# Altium PCB chicken.PcbDoc
Units mil, origin at the board's own origin, x right, y up, seen from the top; angles counter-clockwise.
Board outline 3937.01 x 2755.91 mil, 2 copper layers (Top Layer, Bottom Layer); 150 components, 157 nets, 618 pads, 47 vias.
Unrouted connection lines stored in the file: 159.
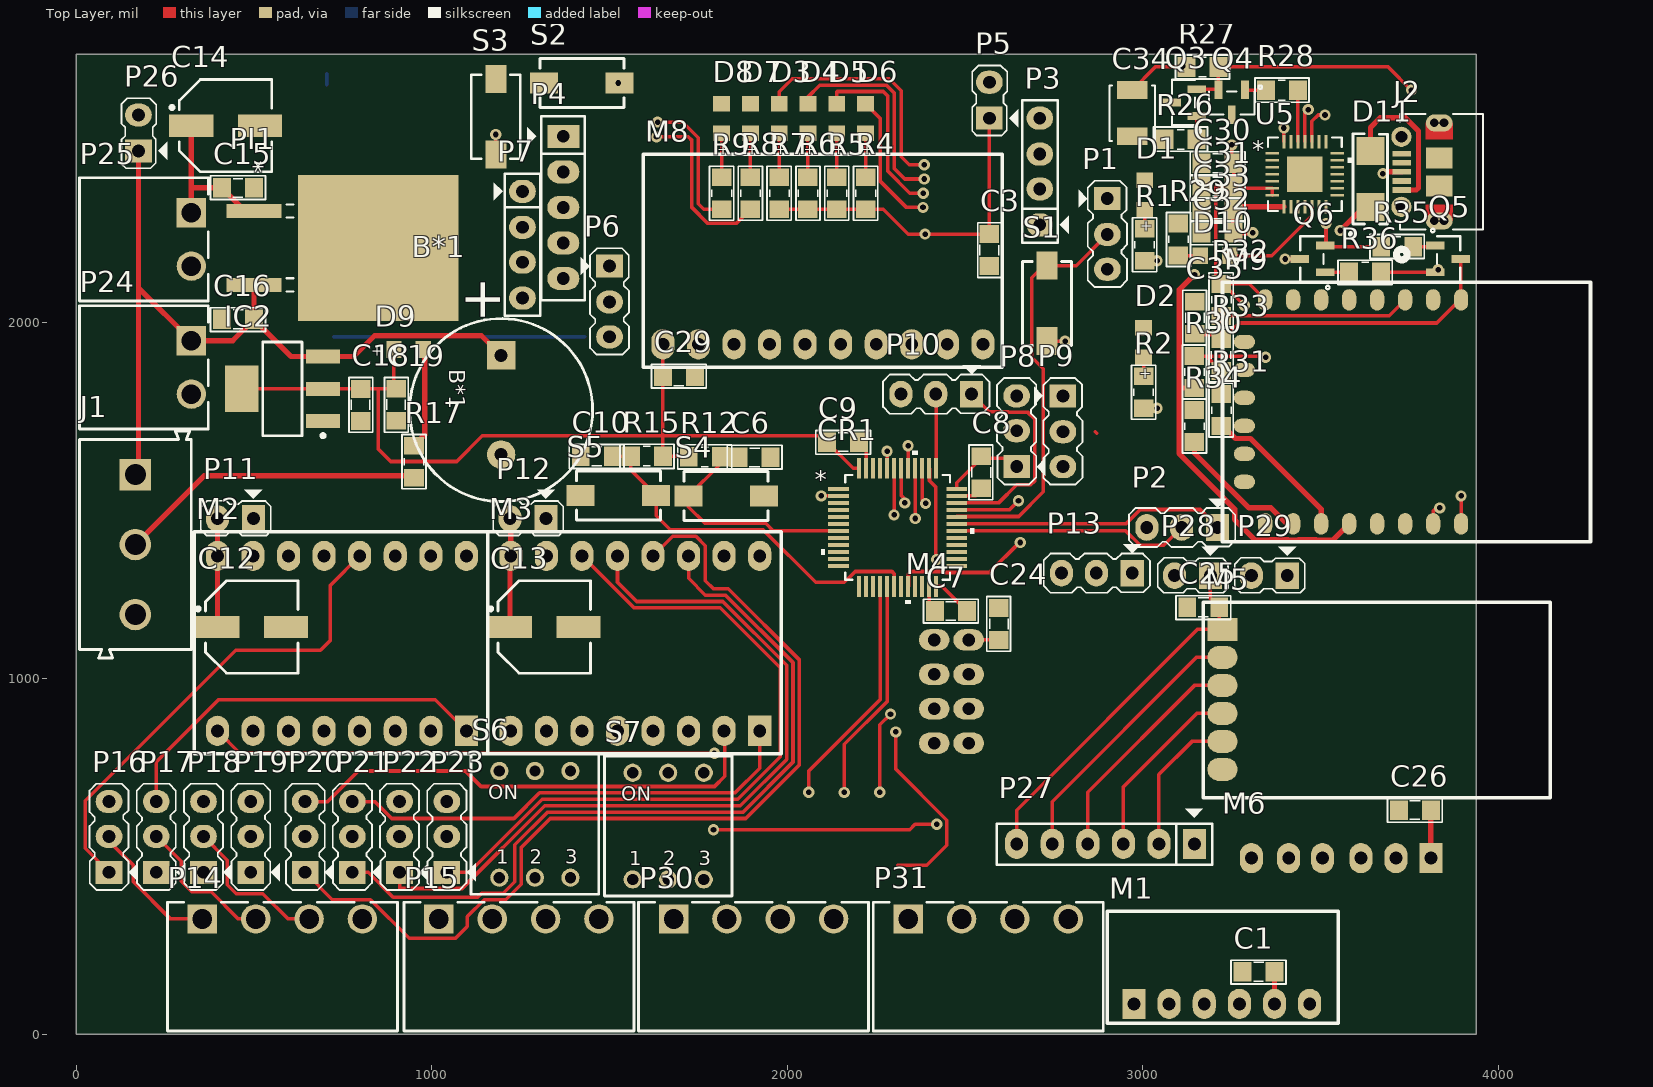
[diagram p0: Top Layer view]
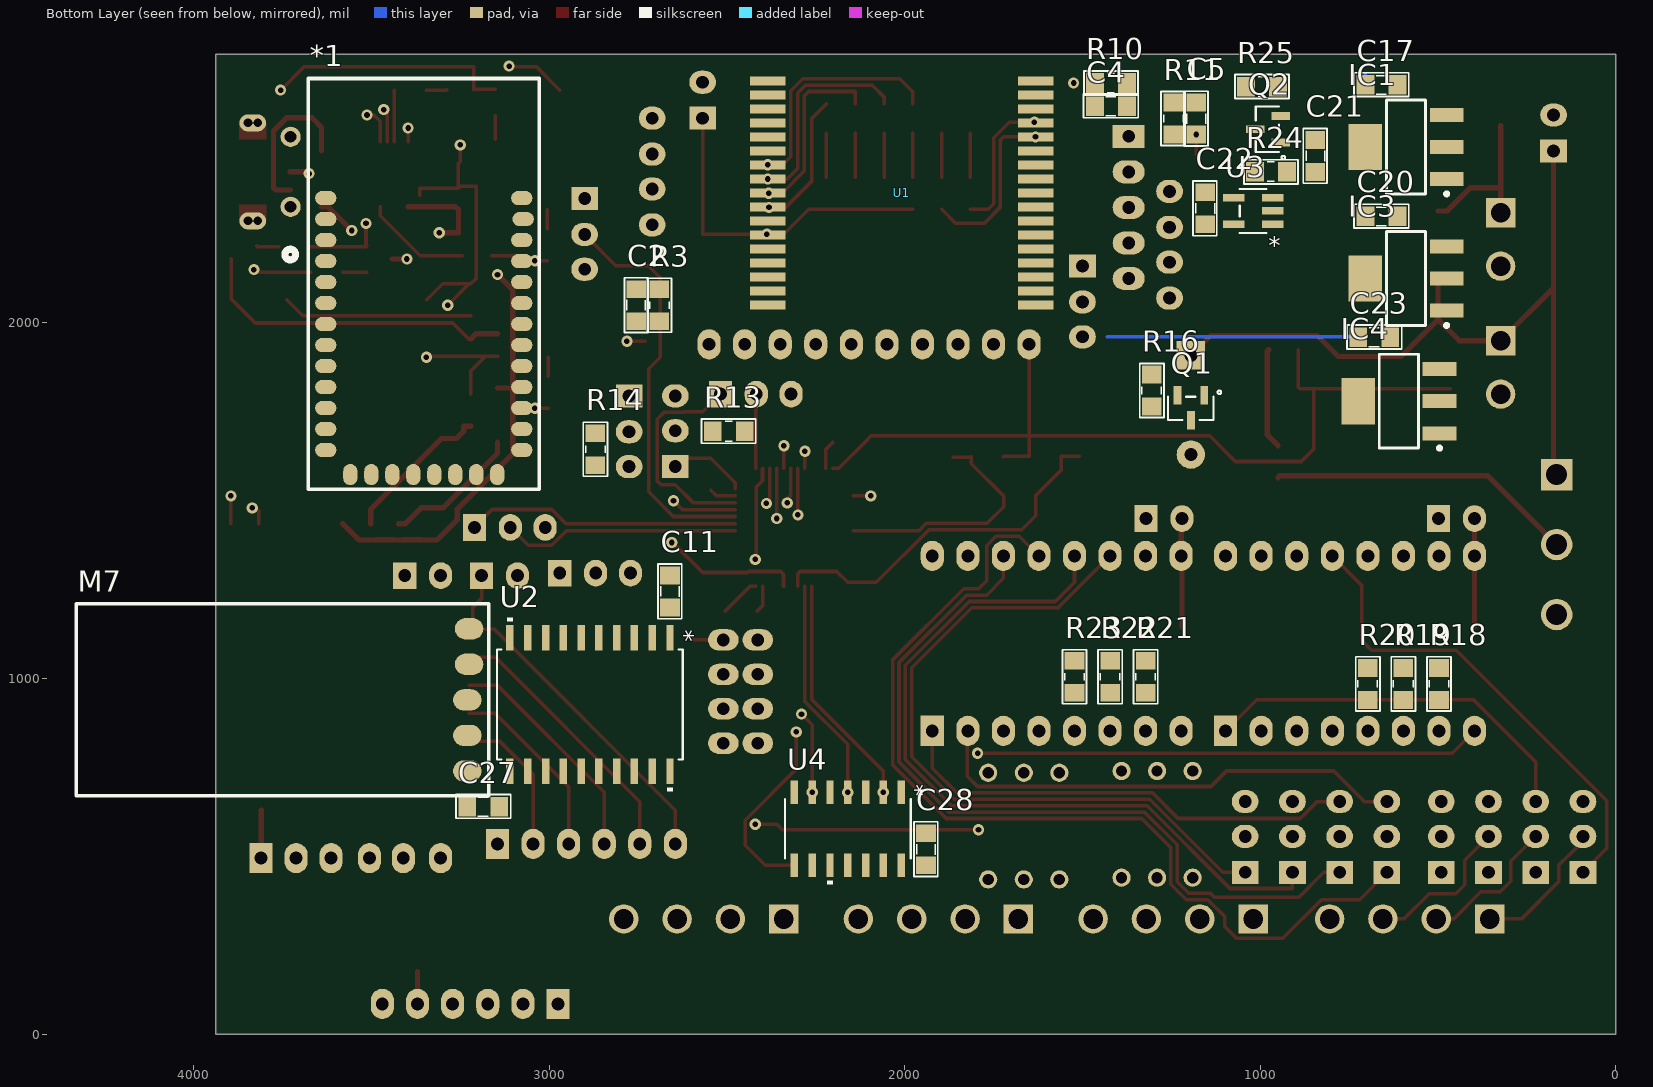
[diagram p1: Bottom Layer view, seen from below]

## Layer stack, top to bottom
Top Solder: solder mask 0.4, Solder Resist, Dk 3.5
Top Layer: signal copper 1.4
Dielectric 1: dielectric 12.6, FR-4, Dk 4.8
Bottom Layer: signal copper 1.4
Bottom Solder: solder mask 0.4, Solder Resist, Dk 3.5

## Board outline
0,0 0,2755.91 3937.01,2755.91 3937.01,0

## Design rules (kind name [scope] priority, off if disabled: settings)
Clearance [All] p1: gap=8 ignorepadtopadclearanceinfootprint=FALSE
DiffPairsRouting [All] p1: maxlimit=10 minlimit=10 mostfreqgap=10 toplayer_minwidth=15 toplayer_maxwidth=15 toplayer_prefwidth=15 bottomlayer_minwidth=15 bottomlayer_maxwidth=15 bottomlayer_prefwidth=15 maxuncoupledlength=500
Height [All] p1: minheight=0 maxheight=5000 prefheight=500
PlaneConnect [All] p1: planeconnectstyle=Direct reliefexpansion=20 reliefentries=4 reliefconductorwidth=10 reliefairgap=10
PolygonConnect [All] p1: connectstyle=Relief reliefconductorwidth=10 reliefentries=4 polygonreliefangle="90 Angle" airgapwidth=10
RoutingVias [All] p1: holewidth=15.75 width=31.5 viastyle="Through Hole" minholewidth=15.75 minwidth=31.5 maxholewidth=15.75 maxwidth=31.5
SolderMaskExpansion [All] p1: expansion=4
UnRoutedNet [All] p1: checkbadconnections=TRUE
Width [All] p1: maxlimit=15 minlimit=8 preferedwidth=10
26 further rules are at their usual default settings.

## Classes and differential pairs
component class Wifi: C30 C31 C32 C33 C34 C35 D10 D11 J2 M9 Q3 Q4 Q5 Q6 R26 R27 R28 R29 R30 R31 R32 R33 R34 R35 R36 U5
component class Sensor: C28 C29 M8 P30 P31 U4
component class RF: C24 C25 C26 C27 M4 M5 M6 M7 P27 P28 P29
component class Power_Supply: C14 C15 C16 C17 C18 C19 C20 C21 C22 C23 IC1 IC2 IC3 IC4 P24 P25 P26 PI1 Q2 R24 R25 U3
component class "Motor Control": C11 C12 C13 M2 M3 P11 P12 P13 P14 P15 P16 P17 P18 P19 P20 P21 P22 P23 R18 R19 R20 R21 R22 R23 S6 S7 U2
component class MCU: B*1 C6 C7 C8 C9 C10 CR1 D9 J1 P8 P9 P10 Q1 R12 R13 R14 R15 R16 R17 S4 S5
component class Decawave: C3 C4 C5 D3 D4 D5 D6 D7 D8 P3 P4 P5 P6 P7 R4 R5 R6 R7 R8 R9 R10 R11 S2 S3 U1
component class Blutooth: * *1 C1 C2 D1 D2 M1 P1 P2 R1 R2 R3 S1
differential pair USB_D: +USB_D_P -USB_D_N

## Components (designator, comment, footprint, x,y, rotation, side; value= is the part's Value field where it differs from the comment)
*1 "HC05-06 SMD" "HC05-06 SMD" 3627.95,1642.6 r180 bottom
B*1 "Buzzer" BUZZER 1195,1830 r270 top
C1 "Cap-100nF-50V-0805" CAP-SM-0805 3280.14,175 r0 top value=100nF/50V
C2 "Cap-100nF-50V-0805" CAP-SM-0805 2755,2005 r90 bottom value=100nF/50V
C3 "Cap-100nF-50V-0805" CAP-SM-0805 2568.27,2160 r90 top value=100nF/50V
C4 "Cap-100nF-50V-0805" CAP-SM-0805 1375,2610 r0 bottom value=100nF/50V
C5 "Cap-100nF-50V-0805" CAP-SM-0805 1180,2620 r270 bottom value=100nF/50V
C6 "Cap-100nF-50V-0805" CAP-SM-0805 1952.87,1622.27 r180 top value=100nF/50V
C7 "Cap-100nF-50V-0805" CAP-SM-0805 2415,1190 r0 top value=100nF/50V
C8 "Cap-100nF-50V-0805" CAP-SM-0805 2545,1625 r270 top value=100nF/50V
C9 "Cap-100nF-50V-0805" CAP-SM-0805 2111.73,1665 r0 top value=100nF/50V
C10 "Cap-100nF-50V-0805" CAP-SM-0805 1418.7,1625 r0 top value=100nF/50V
C11 "Cap-100nF-50V-0805" CAP-SM-0805 2660,1290 r270 bottom value=100nF/50V
C12 "Cap-Al-100uF-16V-D6L5" CAP-SM-AL-SIZE-D-D6L6 493.74,1145 r0 top value=100uF/16V
C13 "Cap-Al-100uF-16V-D6L5" CAP-SM-AL-SIZE-D-D6L6 1316.46,1145 r0 top value=100uF/16V
C14 "Cap-Al-100uF-16V-D6L5" CAP-SM-AL-SIZE-D-D6L6 420,2555 r0 top value=100uF/16V
C15 "Cap-10uF-50V-0805" CAP-SM-0805 500,2380 r180 top value=10uF/50V
C16 "Cap-10uF-50V-0805" CAP-SM-0805 410,2010 r0 top value=10uF/50V
C17 "Cap-10uF-50V-0805" CAP-SM-0805 614.17,2670 r0 bottom value=10uF/50V
C18 "Cap-10uF-50V-0805" CAP-SM-0805 800,1724.45 r90 top value=10uF/50V
C19 "Cap-10uF-50V-0805" CAP-SM-0805 900,1725 r90 top value=10uF/50V
C20 "Cap-10uF-50V-0805" CAP-SM-0805 614.17,2300 r0 bottom value=10uF/50V
C21 "Cap-100nF-50V-0805" CAP-SM-0805 845,2515 r270 bottom value=100nF/50V
C22 "Cap-10uF-50V-0805" CAP-SM-0805 1155,2367.6 r270 bottom value=10uF/50V
C23 "Cap-10uF-50V-0805" CAP-SM-0805 634.17,1960 r0 bottom value=10uF/50V
C24 "Cap-100nF-50V-0805" CAP-SM-0805 2595,1198.7 r270 top value=100nF/50V
C25 "Cap-100nF-50V-0805" CAP-SM-0805 3125,1200 r0 top value=100nF/50V
C26 "Cap-100nF-50V-0805" CAP-SM-0805 3720,630 r0 top value=100nF/50V
C27 "Cap-100nF-50V-0805" CAP-SM-0805 3140,640 r0 bottom value=100nF/50V
C28 "Cap-100nF-50V-0805" CAP-SM-0805 1940,565 r270 bottom value=100nF/50V
C29 "Cap-100nF-50V-0805" CAP-SM-0805 1740,1850 r180 top value=100nF/50V
C30 "Cap-10uF-50V-0805" CAP-SM-0805 3165,2448.82 r0 top value=10uF/50V
C31 "Cap-100nF-50V-0805" CAP-SM-0805 3165,2383.82 r0 top value=100nF/50V
C32 "Cap-10uF-50V-0805" CAP-SM-0805 3165,2253.82 r0 top value=10uF/50V
C33 "Cap-100nF-50V-0805" CAP-SM-0805 3165,2318.82 r0 top value=100nF/50V
C34 "TAJB107M006RNJ" CAP_SM_TAN 2970,2590 r270 top value=100uF/16V
C35 "Cap-100nF-50V-0805" CAP-SM-0805 3146,2060 r270 top value=100nF/50V
CR1 "Part Number: STM32F103C8T6" LQFP-48 2310,1425 r0 top value=Value
D1 "Yellow, 2V" WL-SMCW_0805 3005,2360 r270 top
D2 "Red, 2V" WL-SMCW_0805 3002,1945 r270 top
D3 "Red, 2V" WL-SMCW_0805 1977,2575 r270 top
D4 "Red, 2V" WL-SMCW_0805 2058,2575 r270 top
D5 "Yellow, 2V" WL-SMCW_0805 2139,2575 r270 top
D6 "Bright Green, 2V" WL-SMCW_0805 2220,2575 r270 top
D7 "Red, 2V" WL-SMCW_0805 1896,2575 r270 top
D8 "Red, 2V" WL-SMCW_0805 1815,2575 r270 top
D9 "Red, 2V" WL-SMCW_0805 935,1925 r180 top
D10 "Red, 2V" WL-SMCW_0805 3202.35,2188.82 r0 top
D11 "SS14" SS14 3640,2405 r90 top
IC1 "AMS1117" SOT223 590,2495 r0 bottom value=LM317
IC2 "AMS1117" SOT223 580,1815 r180 top value=LM317
IC3 "AMS1117" SOT223 590,2125 r0 bottom value=LM317
IC4 "AMS1117" SOT223 610,1780 r0 bottom value=LM317
J1 "691111710003" 691111710003 166.34,1376.85 r270 top
J2 "105017-0001" CONN_105017-0001 3840,2425 r90 top
M1 "HC05-06 DIP" "HC05-06 DIP" 2974.86,85 r270 top
M2 "DRV8825" DRV8825 1097.28,852.87 r90 top
M3 "DRV8825" DRV8825 1922.28,852.87 r90 top
M4 "NRF24L01" NRF24L01 2413.15,1108.7 r180 top
M5 "LC" LC12S 3670.04,940 r180 top
M6 "HOLYBRO" HOLYBRO 3810,495 r90 top
M7 "HC12" HC12 3229.96,740 r180 bottom
M8 "GY9250" GY9250 1650,1940 r270 top
M9 "ESP8266" ESP8266 3343.82,2065 r270 top
P1 "Header 3" JP3 2900,2250 r270 top
P2 "Header 3" JP3 3110,1425 r180 top
P3 "Header 4" JP4 2710,2376 r90 top
P4 "Header 5" JP5 1370,2525 r270 top
P5 "Header 2" JP2 2568.27,2576 r90 top
P6 "Header 3" JP3 1500,2060 r270 top
P7 "Header 4" JP4 1255,2270 r270 top
P8 "Header 3" JP3 2645,1696 r90 top
P9 "Header 3" JP3 2775,1695 r270 top
P10 "Header 3" JP3 2418.27,1800 r180 top
P11 "Header 2" JP2 498.28,1450 r180 top
P12 "Header 2" JP2 1321,1450 r180 top
P13 "Header 3" JP3 2870,1296.5 r180 top
P14 "691322310004" 691322310004 580,190 r0 top
P15 "691322310004" 691322310004 1245,189.96 r0 top
P16 "Header 3" JP3 92.28,555 r90 top
P17 "Header 3" JP3 225.14,555 r90 top
P18 "Header 3" JP3 358,555 r90 top
P19 "Header 3" JP3 490.85,555 r90 top
P20 "Header 3" JP3 643.71,555 r90 top
P21 "Header 3" JP3 776.57,555 r90 top
P22 "Header 3" JP3 909.43,555 r90 top
P23 "Header 3" JP3 1042.28,555 r90 top
P24 "691322310002" 691322310002 190,1875 r270 top
P25 "691322310002" 691322310002 190,2235 r270 top
P26 "Header 2" JP2 175,2484 r90 top
P27 "Header 6" JP6 3145,535 r180 top
P28 "Header 2" JP2 3190,1289.5 r180 top
P29 "Header 2" JP2 3406,1289.5 r180 top
P30 "691322310004" 691322310004 1905,190 r0 top
P31 "691322310004" 691322310004 2565,189.96 r0 top
PI1 "L7805" L7805_SMD 849.5,2211.06 r270 top
Q1 "MMBT3904-1AM" SOT23_NEX 1195,1760 r0 bottom
Q2 "MMBT3904-1AM" SOT23_NEX 980,2545 r90 bottom
Q3 "IRLML6402TRPBF" SOT23_NEX 3113.82,2620 r90 top
Q4 "IRLML6402TRPBF" SOT23_NEX 3250,2618.35 r180 top
Q5 "S8050" SOT23_NEX 3860,2180 r270 top
Q6 "S8050" SOT23_NEX 3475,2180 r90 top
R1 "Res-470-0805" RES-SM-0805 3005,2175 r90 top value=470
R2 "Res-470-0805" RES-SM-0805 3002,1760 r90 top value=470
R3 "Res-10k-0805" RES-SM-0805 2690,2095 r270 bottom value=10K
R4 "Res-1.2K-0805" RES-SM-0805 2220,2410 r270 top value=1.2K
R5 "Res-1.2K-0805" RES-SM-0805 2139,2410 r270 top value=1.2K
R6 "Res-1.2K-0805" RES-SM-0805 2058,2410 r270 top value=1.2K
R7 "Res-1.2K-0805" RES-SM-0805 1977,2410 r270 top value=1.2K
R8 "Res-1K-0805" RES-SM-0805 1896,2410 r270 top value=1K
R9 "Res-1K-0805" RES-SM-0805 1815,2410 r270 top value=1K
R10 "Res-10k-0805" RES-SM-0805 1375,2675 r0 bottom value=10K
R11 "Res-10k-0805" RES-SM-0805 1245,2620 r270 bottom value=10K
R12 "Res-10k-0805" RES-SM-0805 1812.87,1623.27 r180 top value=10K
R13 "Res-100K-0805" RES-SM-0805 2450,1695.97 r0 bottom value=100K
R14 "Res-100K-0805" RES-SM-0805 2870,1690 r270 bottom value=100K
R15 "Res-10k-0805" RES-SM-0805 1560,1625 r0 top value=10K
R16 "Res-15K-0805" RES-SM-0805 1305,1765 r90 bottom value=15K
R17 "Res-1K-0805" RES-SM-0805 950,1565 r90 top value=1K
R18 "Res-1K-0805" RES-SM-0805 497.28,940 r90 bottom value=1K
R19 "Res-1K-0805" RES-SM-0805 597.28,940 r90 bottom value=1K
R20 "Res-1K-0805" RES-SM-0805 697.28,940 r90 bottom value=1K
R21 "Res-1K-0805" RES-SM-0805 1322.28,960 r90 bottom value=1K
R22 "Res-1K-0805" RES-SM-0805 1422.28,960 r90 bottom value=1K
R23 "Res-1K-0805" RES-SM-0805 1522.28,960 r90 bottom value=1K
R24 "Res-4.7K-0805" RES-SM-0805 1015,2425 r180 bottom value=4.7K
R25 "Res-100K-0805" RES-SM-0805 1040,2665 r180 bottom value=100K
R26 "Res-1K-0805" RES-SM-0805 3151.03,2516.8 r180 top value=1K
R27 "Res-1K-0805" RES-SM-0805 3212.5,2720 r180 top value=1K
R28 "Res-1K-0805" RES-SM-0805 3435.95,2655 r180 top value=1K
R29 "Res-1K-0805" RES-SM-0805 3100,2280 r270 top value=1K
R30 "Res-12K-0805" RES-SM-0805 3145,1907 r270 top value=12K
R31 "Res-12K-0805" RES-SM-0805 3220,1800 r270 top value=12K
R32 "Res-12K-0805" RES-SM-0805 3220,2110 r270 top value=12K
R33 "Res-12K-0805" RES-SM-0805 3220,1865 r90 top value=12K
R34 "Res-12K-0805" RES-SM-0805 3145,1755 r270 top value=12K
R35 "Res-12K-0805" RES-SM-0805 3670.04,2215 r0 top value=12K
R36 "Res-12K-0805" RES-SM-0805 3580,2142.5 r0 top value=12K
S1 "434113043826" 434113043826 2730,2055 r90 top
S2 "434113043826" 434113043826 1422.28,2675 r180 top
S3 "434113043826" 434113043826 1180,2580 r90 top
S4 "434113043826" 434113043826 1827.87,1513.27 r0 top
S5 "434113043826" 434113043826 1525,1515 r180 top
S6 "418117170903" 418117170903 1290,590 r0 top
S7 "418117170903" 418117170903 1665,585 r0 top
U1 "DWM1001" DWM1001 2385,2680.59 r180 bottom
U2 "74HC245D,652" 74HC245D,652 2885,927 r270 bottom
U3 "XC6204B332MR" XC6204/05_SOT-00 1020,2315 r0 bottom
U4 "74HC14D,652" 74HC14D,652 2160,577.5 r270 bottom
U5 "CP2102-GM" CP2102-GM 3455.63,2418.5 r0 top

## Footprints (in the part's own frame and the unit in brackets; to place one, negate y for a bottom-side part, rotate by r counter-clockwise, add the part's x,y. Pads: shape width x height; smd on the part's side, far side on the other; paste and mask are expansions set on the pad)
74HC14D,652 [mil]
  rect 67x21 smd paste+0 mask+0: 1(-102.5,150) 2(-102.5,100) 3(-102.5,50) 4(-102.5,0) 5(-102.5,-50) 6(-102.5,-100) 7(-102.5,-150) 8(102.5,-150) 9(102.5,-100) 10(102.5,-50) 11(102.5,0) 12(102.5,50) 13(102.5,100) 14(102.5,150)
  silkscreen extent -84,-177 156,177, body extent -124,-172 120,172, height 69
74HC245D,652 [mil]
  rect 71x21 smd paste+0 mask+0: 1(-188,225) 2(-188,175) 3(-188,125) 4(-188,75) 5(-188,25) 6(-188,-25) 7(-188,-75) 8(-188,-125) 9(-188,-175) 10(-188,-225) 11(188,-225) 12(188,-175) 13(188,-125) 14(188,-75) 15(188,-25) 16(188,25) 17(188,75) 18(188,125) 19(188,175) 20(188,225)
  silkscreen extent -244,-261 244,261, body extent -209,-256 209,256, height 104
418117170903 [mm] "2.54 mm compact THT with flat actuator, 3p"
  round 1.3 hole 0.8: 1(-2.54,-3.81) 2(0,-3.81) 3(2.54,-3.81) 4(2.54,3.81) 5(0,3.81) 6(-2.54,3.81)
  silkscreen extent -4.56,-5 4.56,5, body extent -4.46,-4.95 4.46,4.95, height 5.75
434113043826 [mm] "SMD Tact Switch, body 6x3.5mm"
  rect 2x1.5 smd: 1(-2.7,0) 2(2.7,0)
  silkscreen extent -3,-1.75 3,1.75, body extent -3.65,-1.75 3.65,1.75, height 4.3
691111710003 [mm] "5,00mm - modular - green - Horizontal entry with pressure clamp - 10,0mm height - 03p"
  rect 2.25x2.25 hole 1.5: 1(-5,0)
  round 2.25 hole 1.5: 2(0,0) 3(5,0)
  silkscreen extent -8.1,-4 8.1,4, body extent -8.1,-4 8.1,4, height 11.05
691322310002 [mm] "Horizontal PCB Header, pitch 3.81mm, 02p"
  rect 2.1x2.1 hole 1.4: 1(-1.905,3.4)
  round 2.1 hole 1.4: 2(1.905,3.4)
  silkscreen extent -4.4,-4.6 4.41,4.6, body extent -4.4,-4.6 4.41,4.6, height 7.25
691322310004 [mm] "Horizontal PCB Header, pitch 3.81mm, 04p"
  rect 2.1x2.1 hole 1.4: 1(-5.715,3.4)
  round 2.1 hole 1.4: 2(-1.905,3.4) 3(1.905,3.4) 4(5.715,3.4)
  silkscreen extent -8.21,-4.6 8.22,4.6, body extent -8.21,-4.6 8.21,4.6, height 7.25
BUZZER [mil]
  rect 80x80 hole 36: 1(-78.73,0)
  round 80 hole 36: 2(200,0)
  silkscreen extent -182,-257 332,257, body extent -176,-237 296,235, height 335
CAP-SM-0805 [mil]
  rect 50x55 smd: 1(0,0) 2(90,0)
  silkscreen extent -32,-34 122,33, body extent 4,-27 86,27, height 30
CAP-SM-AL-SIZE-D-D6L6 [mm] "WH6.6"
  rect 3.15x1.6 smd: 1(-2.45,0) 2(2.45,0)
  silkscreen extent -3.95,-3.3 3.3,3.3, body extent -3.9,-3.4 3.9,3.4, height 5.7
CAP_SM_TAN [mil]
  rect 49.98x87 smd: 1(-65,0) 2(65,0)
  silkscreen extent -78,-64 78,64, body extent -73,-60 73,58, height 85
CONN_105017-0001 [mil]
  rect 16x53 smd: 1(-51.18,112) 2(-25.59,112) 3(0,112) 4(25.59,112) 5(51.18,112)
  round 57 hole 33: 6(-98.43,112.98) 7(98.43,112.98)
  rect 59x75 smd: 10(-39.37,6.68) 11(39.37,6.68)
  oval 48x75 hole 1 mask+0: S_1(-137.8,6.68) S_2(137.8,6.68)
  round 24 hole 24: S_1_H1(-137.8,20.18) S_1_H2(-137.8,-6.82) S_2_H1(137.8,20.18) S_2_H2(137.8,-6.82)
  Top Layer region: 91.8,-30.82 91.8,44.18 137.8,44.18 137.8,-30.82
  Top Layer region: -91.8,-30.82 -91.8,44.18 -137.8,44.18 -137.8,-30.82
  Multi-Layer lines w24: -137.8,20.18 -137.8,-6.82 ; 137.8,20.18 137.8,-6.82
  silkscreen extent -247,-117 162,127, body extent -161,-95 161,118, height 108
CP2102-GM [mil]
  rect 38x8 smd paste+0 mask+0: 1(-91.5,59.06) 2(-91.5,39.37) 3(-91.5,19.69) 4(-91.5,0) 5(-91.5,-19.68) 6(-91.5,-39.37) 7(-91.5,-59.05) 15(91.5,-59.05) 16(91.5,-39.37) 17(91.5,-19.68) 18(91.5,0) 19(91.5,19.69) 20(91.5,39.37) 21(91.5,59.06)
  rect 8x38 smd paste+0 mask+0: 8(-59.06,-91.5) 9(-39.37,-91.5) 10(-19.68,-91.5) 11(0,-91.5) 12(19.69,-91.5) 13(39.37,-91.5) 14(59.06,-91.5) 22(59.06,91.5) 23(39.37,91.5) 24(19.69,91.5) 25(0,91.5) 26(-19.68,91.5) 27(-39.37,91.5) 28(-59.06,91.5)
  rect 100x100 smd paste-65.5 mask+0: 29(0,0)
  silkscreen extent -104,-130 130,104, body extent -98,-98 99,99, height 37
DRV8825 [mil]
  rect 85x65 hole 36: 1(0,0)
  oval 85x65 hole 36: 2(0,100) 3(0,200) 4(0,300) 5(0,400) 6(0,500) 7(0,600) 8(0,700) 9(492.13,700) 10(492.13,600) 11(492.13,500) 12(492.13,400) 13(492.13,300) 14(492.13,200) 15(492.13,100) 16(492.13,0)
  silkscreen extent -65,-60 560,765, body extent -50,-47 540,753, height 500
DWM1001 [mm]
  rect 2.54x0.65 smd: 1(0,0) 2(0,-1) 3(0,-2) 4(0,-3) 5(0,-4) 6(0,-5) 7(0,-6) 8(0,-7) 9(0,-8) 10(0,-9) 11(0,-10) 12(0,-11) 13(0,-12) 14(0,-13) 15(0,-14) 16(0,-15) 17(0,-16) 18(19.13,-16) 19(19.13,-15) 20(19.13,-14) 21(19.13,-13) 22(19.13,-12) 23(19.13,-11) 24(19.13,-10) 25(19.13,-9) 26(19.13,-8) 27(19.13,-7) 28(19.13,-6) 29(19.13,-5) 30(19.13,-4) 31(19.13,-3) 32(19.13,-2) 33(19.13,-1) 34(19.13,0)
  body extent -0.04,-17.12 19.09,9, height 3.2
ESP8266 [mil]
  oval 60x40 smd: 1(0,551.18) 2(0,472.44) 3(0,393.7) 4(0,314.96) 5(0,236.22) 6(0,157.48) 7(0,78.74) 8(0,0) 15(629.92,0) 16(629.92,78.74) 17(629.92,157.48) 18(629.92,236.22) 19(629.92,314.96) 20(629.92,393.7) 21(629.92,472.44) 22(629.92,551.18)
  oval 40x60 smd: 9(118.11,-58.27) 10(196.85,-58.27) 11(275.59,-58.27) 12(354.33,-58.27) 13(433.07,-58.27) 14(511.81,-58.27)
  silkscreen extent -50,-120 680,915, body extent -5,-63 625,882, height 104
GY9250 [mil]
  oval 85x65 hole 36: 1(0,0) 2(0,100) 3(0,200) 4(0,300) 5(0,400) 6(0,500) 7(0,600) 8(0,700) 9(0,800) 10(0,900)
  silkscreen extent -535,-55 65,955, body extent -530,-50 60,950, height 267
"HC05-06 DIP" [mil]
  rect 85x65 hole 36: 1(0,0)
  oval 85x65 hole 36: 2(0,98.82) 3(0,197.64) 4(0,296.46) 5(0,395.28) 6(0,494.09)
  silkscreen extent -260,-75 55,575, body extent -248,-65 10,565, height 1634
"HC05-06 SMD" [mil]
  oval 60x40 smd: 1(0,708.66) 2(0,649.61) 3(0,590.55) 4(0,531.5) 5(0,472.44) 6(0,413.38) 7(0,354.33) 8(0,295.27) 9(0,236.22) 10(0,177.16) 11(0,118.11) 12(0,59.05) 13(0,0) 22(551.18,0) 23(551.18,59.05) 24(551.18,118.11) 25(551.18,177.16) 26(551.18,236.22) 27(551.18,295.27) 28(551.18,354.33) 29(551.18,413.38) 30(551.18,472.44) 31(551.18,531.5) 32(551.18,590.55) 33(555,649.61) 34(551.18,708.66)
  oval 40x60 smd: 14(68.9,-68.9) 15(127.95,-68.9) 16(187.01,-68.9) 17(246.06,-68.9) 18(305.12,-68.9) 19(364.17,-68.9) 20(423.23,-68.9) 21(482.28,-68.9)
  silkscreen extent -50,-110 600,1045, body extent 0,-70 552,1033, height 93
HC12 [mil] "HC12"
  oval 80x60 smd: 1(0,0) 2(0,100) 3(0,200) 4(5,300) 5(5,400)
  silkscreen extent -1100,-70 60,470, body extent -1090,-62 0,462, height 1020
HOLYBRO [mil]
  rect 85x65 hole 36: 1(0,0)
  oval 85x65 hole 36: 2(0,98.43) 3(0,196.85) 4(0,305) 5(0,400) 6(0,505)
  body extent -135,-87 95,597, height 304
JP2 [mil]
  rect 65x75 hole 36: 1(0,0)
  oval 65x75 hole 36: 2(101,0)
  silkscreen extent -49,-81 148,48, body extent -48,-50 148,48, height 323
JP3 [mil] "Jumper 3"
  rect 65x75 hole 36: 1(-100,0)
  oval 65x75 hole 36: 2(1,0) 3(99,0)
  silkscreen extent -150,-81 149,55, body extent -150,-60 150,55, height 355
JP4 [mil] "Jumper 4"
  oval 65x75 hole 36: 1(-100,0) 2(1,0) 3(99,0) 4(200,0)
  silkscreen extent -150,-81 250,50, body extent -148,-48 248,50, height 323
JP5 [mil] "JP5"
  rect 65x90 hole 36: 1(0,0)
  oval 65x90 hole 36: 2(100,0) 3(200,0) 4(300,0) 5(400,0)
  silkscreen extent -57,-101 461,60, body extent -48,-53 448,45, height 323
JP6 [mil] "JP6"
  rect 65x85 hole 36: 1(0,0)
  oval 65x85 hole 36: 2(100,0) 3(200,0) 4(300,0) 5(400,0) 6(500,0)
  silkscreen extent -50,-99 556,58, body extent -48,-50 548,48, height 323
L7805_SMD [mil]
  rect 39x154 smd paste+0 mask+0: 1(-103.94,-349.5) 3(103.94,-349.5)
  rect 411x451 smd paste+0 mask+0: 2(0,0)
  silkscreen extent -122,-258 122,-239, body extent -205,-320 204,210, height 185
LC12S [mil]
  rect 85x65 smd: 1(446.22,-198.11)
  oval 85x65 smd: 2(446.22,-119.37) 3(446.22,-40.63) 4(446.22,38.11) 5(446.22,116.85) 6(446.22,195.59)
  silkscreen extent -475,-275 500,275, body extent -473,-268 444,271, height 79
LQFP-48 [mil]
  rect 58x11 smd: 1(-166,108.27) 2(-166,88.58) 3(-166,68.9) 4(-166,49.21) 5(-166,29.53) 6(-166,9.84) 7(-166,-9.84) 8(-166,-29.53) 9(-166,-49.21) 10(-166,-68.9) 11(-166,-88.58) 12(-166,-108.27) 25(166,-108.27) 26(166,-88.58) 27(166,-68.9) 28(166,-49.21) 29(166,-29.53) 30(166,-9.84) 31(166,9.84) 32(166,29.53) 33(166,49.21) 34(166,68.9) 35(166,88.58) 36(166,108.27)
  rect 11x58 smd: 13(-108.27,-166) 14(-88.58,-166) 15(-68.9,-166) 16(-49.21,-166) 17(-29.53,-166) 18(-9.84,-166) 19(9.84,-166) 20(29.53,-166) 21(49.21,-166) 22(68.9,-166) 23(88.58,-166) 24(108.27,-166) 37(108.27,166) 38(88.58,166) 39(68.9,166) 40(49.21,166) 41(29.53,166) 42(9.84,166) 43(-9.84,166) 44(-29.53,166) 45(-49.21,166) 46(-68.9,166) 47(-88.58,166) 48(-108.27,166)
  silkscreen extent -215,-215 215,215, body extent -181,-181 181,181, height 63
NRF24L01 [mil]
  oval 86x60 hole 36: 1(0,0) 2(-96.85,0) 3(0,96.85) 4(-96.85,96.85) 5(0,193.7) 6(-96.85,193.7) 7(0,290.55) 8(-96.85,290.55)
  body extent -2823,-155 90,445, height 3758
RES-SM-0805 [mil]
  rect 50x55 smd: 1(0,0) 2(90,0)
  silkscreen extent -31,-34 121,34, body extent -5,-24 95,25, height 20
SOT23_NEX [mil]
  rect 22x52 smd paste+0 mask+4: 1(-37.5,-37.21) 2(37.5,-37.21) 3(0,33.36)
  silkscreen extent -85,-50 64,32, body extent -59,-54 59,44, height 43
SOT223 [mm] "SOT223, 4-Leads, Body 6.5x3.5mm, Pitch 2.3mm, Lead Span 7mm, IPC Medium Density"
  rect 2.4x1 smd: 1(-2.9,2.3) 2(-2.9,0) 3(-2.9,-2.3)
  rect 2.4x3.3 smd: 4(2.9,0)
  silkscreen extent -3.02,-3.35 1.4,3.47, body extent -3.39,-3.27 3.5,3.23, height 1.72
SS14 [mm] "DO-214-AC/SMA Molded Diode, Body 5.3x2.6mm, IPC Medium Density"
  rect 1.999x1.999 smd: 1(-2,0) 2(2,0)
  silkscreen extent -4.06,-1.22 3.23,1.47, body extent -2.75,-1.4 2.75,1.4, height 2.3
WL-SMCW_0805 [mm] "SMD Mono-color Chip LED, body 2.0x1.25mm"
  rect 1.1x1.2 smd: 1(-1.05,0) 2(1.05,0)
  body extent -1,-0.63 1,0.62, height 0.7